# Altium PCB HRADC_Board_v2_0.PcbDoc (part 2 of 4) (continued)
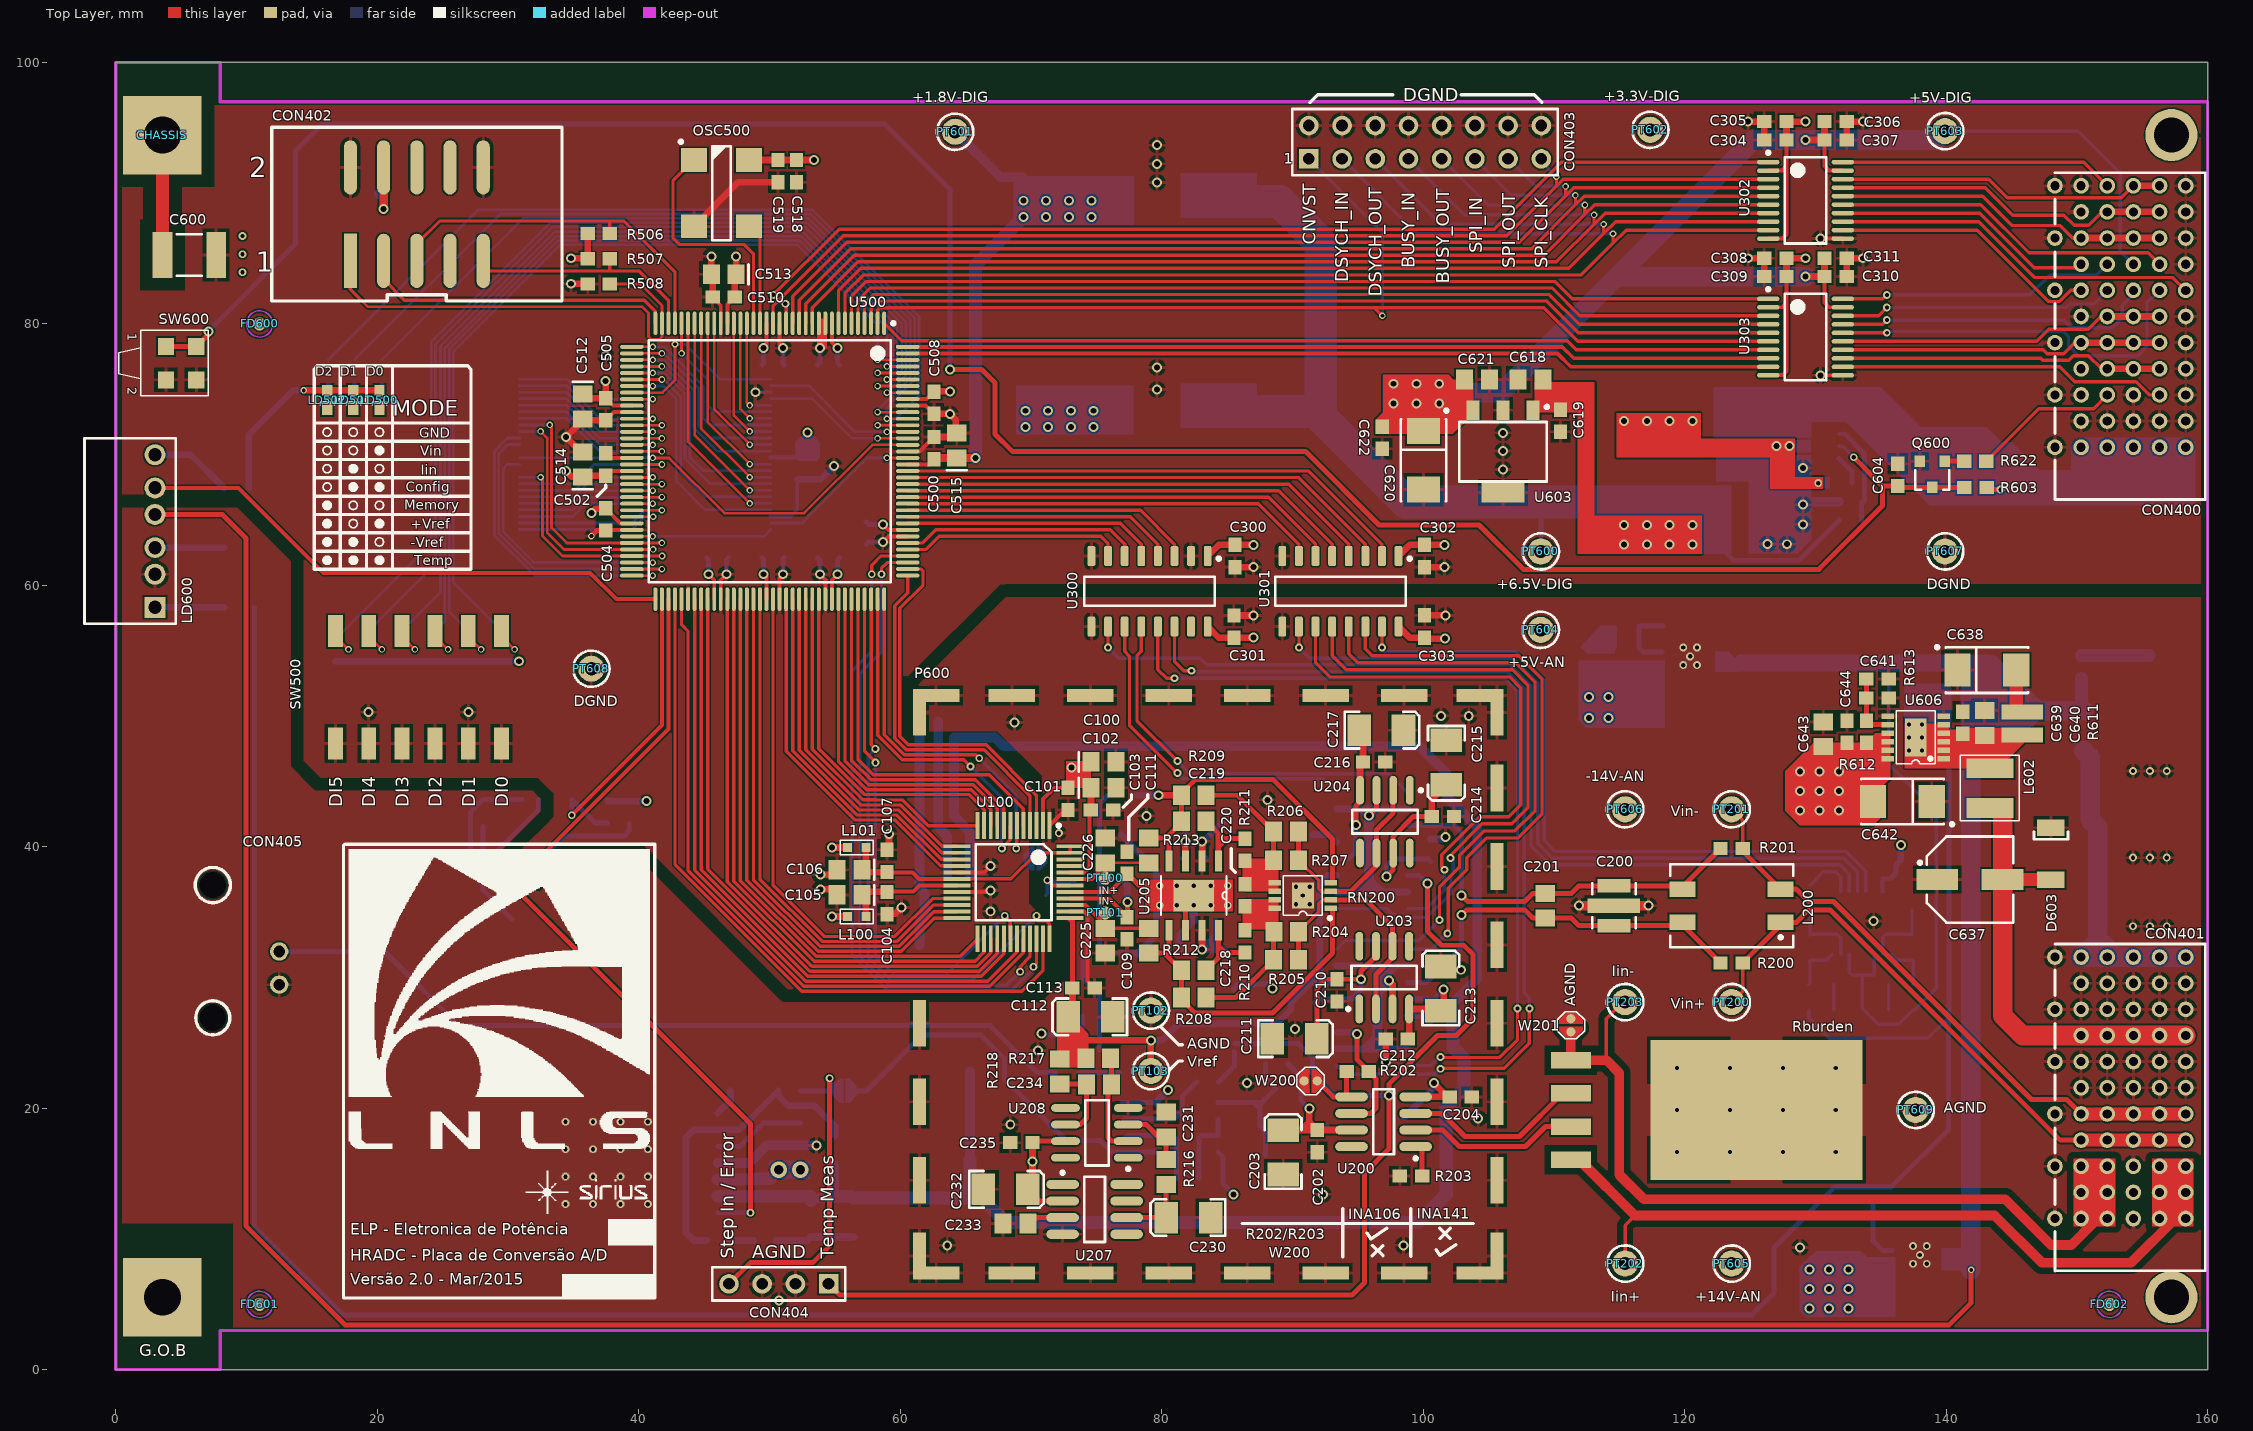
[diagram p0: Top Layer view]
## Nets (pads, with @x,y where several pads share a name; then routed paths per layer and width w, separated by ;. In a path a pad name is that pad's centre, name@x,y a point inside that pad or via, vN(x,y) a via of type N, cw(c..) or ccw(c..) an arc to the next point about the centre after c; other vN are vias at no path point) (continued)
ADC_CS: U100.32 U500.77 | length 52.4
  Top Layer w0.254: U500.77@43.275,58.95 43.275,56.975 43.775,56.475 43.775,38.187 52.622,29.34 66.863,29.34 69.425,31.902 U100.32@69.425,32.975
ADC_D0_OB2C: U100.5 U500.104 | length 27.8
  Top Layer w0.254: U500.104@56.775,58.95 56.775,46.674 57.925,45.524 66.826,45.524 69.425,42.925 U100.5@69.425,41.625
ADC_D1_A0: U100.8 U500.103 | length 26.8
  Top Layer w0.254: U500.103@56.275,58.95 56.275,46.636 57.768,45.143 65.748,45.143 67.925,42.966 U100.8@67.925,41.625
ADC_D2_A1: U100.9 U500.102 | length 26.8
  Top Layer w0.254: U500.102@55.775,58.95 55.775,46.597 57.61,44.762 65.591,44.762 67.425,42.928 U100.9@67.425,41.625
ADC_D3: U100.10 U500.101 | length 26.8
  Top Layer w0.254: U500.101@55.275,58.95 55.275,46.558 57.452,44.381 65.433,44.381 66.925,42.889 U100.10@66.925,41.625
ADC_D4_DIVSCLK0: U100.11 U500.98 | length 27.2
  Top Layer w0.254: U500.98@53.775,58.95 53.775,47.519 57.294,44 65.275,44 66.425,42.85 U100.11@66.425,41.625
ADC_D5_DIVSCLK1: U100.12 U500.97 | length 26.5
  Top Layer w0.254: U500.97@53.275,58.95 53.275,47.48 57.155,43.6 58.15,43.6 58.169,43.581 60.208,43.581 62.164,41.625 U100.12@65.925,41.625
ADC_D6_EXT/INT: U100.13 U500.96 | length 26.1
  Top Layer w0.254: U500.96@52.775,58.95 52.775,47.441 57.016,43.2 60.05,43.2 63.2,40.05 U100.13@64.35,40.05
ADC_D7_INVSYNC: U100.14 U500.95 | length 26.9
  Top Layer w0.254: U500.95@52.275,58.95 52.275,47.403 56.859,42.819 59.892,42.819 63.161,39.55 U100.14@64.35,39.55
ADC_D8_INVSCLK: U100.15 U500.94 | length 27.6
  Top Layer w0.254: U500.94@51.775,58.95 51.775,47.364 56.701,42.438 59.734,42.438 63.122,39.05 U100.15@64.35,39.05
ADC_D9_SDIN: U100.16 U500.93 | length 28.3
  Top Layer w0.254: U500.93@51.275,58.95 51.275,47.325 56.543,42.057 59.577,42.057 63.084,38.55 U100.16@64.35,38.55
ADC_D10_SDOUT: U100.21 U500.91 | length 38.8
  Top Layer w0.254: U500.91@50.275,58.95 50.275,37.075 54.2,33.15 59.6,33.15 62.5,36.05 U100.21@64.35,36.05
ADC_D11_SDCLK: U100.22 U500.89 | length 39.6
  Top Layer w0.254: U500.89@49.275,58.95 49.275,37.536 54.042,32.769 59.758,32.769 62.539,35.55 U100.22@64.35,35.55
ADC_D12_SYNC: U100.23 U500.88 | length 40.2
  Top Layer w0.254: U500.88@48.775,58.95 48.775,37.497 53.884,32.388 59.916,32.388 62.578,35.05 U100.23@64.35,35.05
ADC_D13_RDERROR: U100.24 U500.87 | length 40.9
  Top Layer w0.254: U500.87@48.275,58.95 48.275,37.459 53.727,32.007 60.073,32.007 62.616,34.55 U100.24@64.35,34.55
ADC_D14_HW/SW: U100.25 U500.86 | length 42.6
  Top Layer w0.254: U500.86@47.775,58.95 47.775,37.42 53.569,31.626 64.576,31.626 U100.25@65.925,32.975
ADC_D15_SCIN: U100.26 U500.85 | length 44.6
  Top Layer w0.254: U500.85@47.275,58.95 47.275,37.381 53.411,31.245 65.729,31.245 66.329,31.845 66.329,31.854 66.425,31.95 U100.26@66.425,32.975
ADC_D16_SCCLK: U100.27 U500.84 | length 45.9
  Top Layer w0.254: U500.84@46.775,58.95 46.775,37.342 53.253,30.864 65.887,30.864 66.925,31.902 U100.27@66.925,32.975
ADC_D17_SCCS: U100.28 U500.81 | length 47.7
  Top Layer w0.254: U500.81@45.275,58.95 45.275,38.303 53.095,30.483 66.045,30.483 67.425,31.863 U100.28@67.425,32.975
ADC_IMPULSE: U100.7 U500.107 | length 27.8
  Top Layer w0.254: U500.107@58.275,58.95 58.275,48.534 60.152,46.657 64.868,46.657 v3(65.375,46.15) ; v3@67.763,39.887 68.425,40.55 U100.7@68.425,41.625
  Bottom Layer w0.254: v3(65.375,46.15) 67.775,43.75 v3(67.775,39.875)
ADC_IN_N: C225.2 PT101.1 R212.2 U100.39 | length 7.6
  Top Layer w0.254: C225.2@75.9,33.771 R212.2@78.9,33.771
  Top Layer w0.3: U100.39@73,35.55 74,35.55 74.171,35.55 C225.2@75.675,34.046 ; PT101.1@75.675,34.95 C225.2@75.675,34.046 ; C225.2@75.9,33.771 75.9,33.821 C225.2@75.675,34.046
ADC_IN_P: C226.1 PT100.1 R213.2 U100.43 | length 7.5
  Top Layer w0.203: C226.1@75.9,38.78 R213.2@78.994,38.78
  Top Layer w0.3: U100.43@73,37.55 74.671,37.55 C226.1@75.675,38.554 ; PT100.1@75.675,37.6 C226.1@75.675,38.554 ; C226.1@75.9,38.78 C226.1@75.675,38.554
ADC_MODE0: U100.3 U500.110 | length 29.3
  Top Layer w0.254: U500.110@60.575,61.25 61.6,61.25 61.75,61.1 61.75,60.025 59.975,58.25 59.975,48.45 60.625,47.8 66.575,47.8 70.425,43.95 U100.3@70.425,41.625
ADC_MODE1: U100.4 U500.109 | length 27.3
  Top Layer w0.254: U500.109@60.575,60.75 60.575,59.431 59.594,58.45 59.594,48.292 60.467,47.419 66.417,47.419 69.925,43.911 U100.4@69.925,41.625
ADC_PD: U100.34 U500.112 | length 51.5
  Top Layer w0.254: v3(57.82,60.855) 57.82,61.55 58.52,62.25 U500.112@60.575,62.25 ; v3(70.2,30.825) 70.425,31.05 U100.34@70.425,32.975
  Bottom Layer w0.254: v3(57.82,60.855) 57.82,54.964 56.32,53.464 56.32,31.696 58.959,29.057 68.565,29.057 70.2,30.692 v3(70.2,30.825)
ADC_RD: U100.31 U500.79 | length 50.9
  Top Layer w0.254: U500.79@44.275,58.95 44.275,38.226 52.78,29.721 66.705,29.721 68.925,31.941 U100.31@68.925,32.975
ADC_RESET: U100.33 U500.111 | length 49
  Top Layer w0.254: v3(58.57,60.855) 58.57,61.3 59.02,61.75 U500.111@60.575,61.75 ; v3(69.175,30.45) 69.175,30.839 69.925,31.589 U100.33@69.925,32.975
  Bottom Layer w0.254: v3(58.57,60.855) 58.57,54.875 56.92,53.225 56.92,31.635 59.117,29.438 68.163,29.438 v3(69.175,30.45)
ADC_TEN: U100.30 U500.105 | length 42
  Top Layer w0.254: U500.105@57.275,58.95 57.275,47.325 58.104,46.496 v3@58.114,46.496 ; v3(68,34.725) 68.425,34.3 U100.30@68.425,32.975
  Bottom Layer w0.254: v3@58.114,46.496 58.104,46.496 58.1,46.5 58.1,31.65 59.55,30.2 63.475,30.2 v3(68,34.725)
  other v3: 58.114,46.446
ADC_VREF: C112.1 C113.2 PT103.1 R217.2 R218.2 U100.37 U201.14 U202.3 | length 49
  Top Layer w0.381: R218.2@72.2,23.775 72.2,26.35 C112.1@72.85,27 74.2,25.65 74.2,25.2 ; U100.37@72.953,34.503 73.175,34.28 C113.2@73.175,29.2 ; 73.275,25.2 74.2,25.2 ; R217.2@74.2,23.825 74.2,25.2
  Top Layer w0.508: C112.1@72.85,27 73.175,27.325 C113.2@73.175,29.2 ; 74.2,25.2 v1(79.175,25.2) PT103.1@79.175,22.85
  Bottom Layer w0.508: v1(79.175,25.2) 80.05,25.2 81.325,26.475 88.79,26.475 89.875,27.56 89.875,28.1 91.405,29.63 ; U201.14@93.4,29.63 91.405,29.63 ; U202.3@93.4,37.82 92.72,37.82 92.1,37.2 92.1,30.325 91.405,29.63
ADC_WRAP: U100.6 U500.108 | length 28.2
  Top Layer w0.254: U500.108@58.775,58.95 58.775,48.572 60.309,47.038 65.787,47.038 v3(66.05,46.775) ; v3(68.875,39.875) 68.925,39.925 U100.6@68.925,41.625
  Bottom Layer w0.254: v3(66.05,46.775) 68.875,43.95 v3(68.875,39.875)
AGND: C100.2 C101.2 C102.2 C103.1 C108.2 C109.1 C110.1 C111.2 C112.2 C113.1 C200.G1 C200.G2 C202.1 C203.2 C204.1 C205.1 C206.2 C207.1 C208.2 C209.1 C210.2 C211.2 C212.2 C213.1 C214.2 C215.2 C216.2 C217.1 C221.2 C222.2 C223.2 C224.1 C225.1 C226.2 C227.2 C228.1 C229.2 C230.2 C231.1 C232.2 C233.1 C235.2 C236.1 C237.1 C238.2 C239.2 C242.1 C243.1 C301.1 C303.1 C623.2 C624.2 C625.1 C626.1 C627.2 C628.2 C629.1 C630.1 C631.1 C632.1 C633.2 C634.2 C635.1 C636.1 C637.1 C638.1 C639.1 C640.1 C641.2 C642.1 C643.1 C644.1 C645.1 CON401.A2 CON401.A3 CON401.A5 CON401.A6 CON401.B2 CON401.B3 CON401.B5 CON401.B6 CON401.C2 CON401.C3 CON401.C5 CON401.C6 CON401.C9 CON401.C10 CON401.C11 CON401.D2 CON401.D3 CON401.D5 CON401.D6 CON401.E2 CON401.E3 CON401.E5 CON401.E6 CON401.Mec1 CON401.Mec2 CON401.Mec3 CON401.Mec4 CON401.Mec5 CON401.Mec6 CON404.2 CON404.3 CON405.2 D600.1 D602.2 D603.1 LD600.2 OP300.1 P600.1 P601.1 PT102.1 PT609.1 R203.1 R220.1 R224.1 R228.1 R229.1 R230.2 R231.1 R232.2 R233.1 R234.2 R235.1 R236.2 R237.1 R238.2 R239.1 R240.2 R241.1 R601.1 R608.1 R610.1 R613.1 R617.2 Rburden.5 RN200.9 U100.1 U100.38 U100.42 U201.5 U201.6 U201.12 U202.5 U202.6 U202.12 U205.2 U205.7 U207.4 U208.4 U210.4 U211.4 U211.8 U300.9 U301.9 U604.4 U604.5 U604.9 U605.4 U605.5 U605.9 U606.6 U606.7 U607.4 U607.5 U607.9 U607.14 W200.1 W201.1 W202.1 W600.1 | length 77.8
  Top Layer w0.3: v3(71.25,37.45) 71.65,37.05 U100.42@73,37.05 ; U100.1@71.425,41.625 72.619,42.819 C101.2@72.85,42.819 ; U100.38@73,35.05 74.067,35.05 74.324,34.792 74.324,29.751 C113.1@74.875,29.2
  Top Layer w0.381: v1@101.685,57.715 v1(101.7,57.7)
  Top Layer w0.508: v1(83.085,32.14) U205.7@83.085,33.621 ; U205.2@83.085,38.929 83.1,38.944 v1(83.1,40.425) ; C301.1@85.52,57.7 v1(87.02,57.7) ; v1(97.15,23.55) C212.2@97.15,25.261 ; C303.1@100.12,57.715 v1@101.685,57.715
  Top Layer w0.7: v1(111.925,35.5) C200.G1@113.585,35.5 ; C200.G2@115.59,35.5 v1(117.25,35.5)
  Bottom Layer w0.3: D600.1@71.145,36.3 71.25,36.405 v3(71.25,37.45) 71.358,37.342 73.302,37.342 C108.2@73.485,37.525
  Bottom Layer w0.508: C221.2@83.36,39.121 83.1,39.381 v1(83.1,40.425) 83.19,40.425 C222.2@85.215,42.45 ; C223.2@84.125,34.325 84.125,33.18 v1(83.085,32.14) C224.1@84.785,32.14 ; C209.1@91.575,40.95 92.81,40.95 U202.5@93.4,40.36 ; U201.5@98.8,27.09 99.985,27.09 C207.1@100.5,26.575 ; C208.2@100.55,40.6 101.55,40.6 v1(101.7,40.75)
  Bottom Layer w0.75: U211.4@46.05,15.825 48.44,15.825 C242.1@48.945,16.33 49.785,17.17 C243.1@50.67,17.17 R229.1@52.37,17.17 v1(53.59,17.17) ; P601.1@61.475,32.47 61.475,34.252 61.869,34.646 61.869,36.495 61.475,36.888 P601.1@61.475,38.47 P601.1@61.475,44.47 P601.1@61.475,50.265 ; 62.915,49.6 62.915,41.5 63.6,40.815 R241.1@63.6,37.875
  other v1: 50.715,5.293 128.838,9.352 63.6,9.525 98.49,9.525 92.34,13.425 68.42,18.75 104.215,19.225 86.515,21.925 70.54,24.425 90.215,26.075 102.89,30.6 134.465,34.325 78.845,42.375 88.09,43.6 68.74,49.525 101.365,50.025 103.49,50.025
  other v3: 154.302,33.925 155.59,33.925 156.878,33.925 154.302,39.175 155.59,39.175 156.878,39.175 72.14,41.05 154.302,45.8 155.59,45.8 156.878,45.8
  other v4: 119.425,16.665 123.475,16.665 127.525,16.665 131.575,16.665 119.425,19.875 123.475,19.875 127.525,19.875 131.575,19.875 119.425,23.085 123.475,23.085 127.525,23.085 131.575,23.085 90.275,35.6 91.325,35.6 90.8,36.275 90.275,36.95 91.325,36.95
  other v5: 137.475,8.11 138.525,8.11 138,8.785 137.475,9.46 138.525,9.46 34.4,12.675 36.5,12.675 38.6,12.675 40.7,12.675 34.4,14.775 36.5,14.775 38.6,14.775 40.7,14.775 34.4,16.875 36.5,16.875 38.6,16.875 40.7,16.875 34.4,18.975 36.5,18.975 38.6,18.975 40.7,18.975 119.9,53.9 120.95,53.9 120.425,54.575 119.9,55.25 120.95,55.25
AMUX_N_IN1: U202.1 U301.12 | length 47.8
  Top Layer w0.254: U301.12@93.04,56.85 93.04,54.635 94.133,53.542 106.849,53.542 108.017,52.374 108.017,42.999 106.776,41.758 104.491,41.758 102.1,39.368 v6(102.1,39.15)
  Bottom Layer w0.254: U202.1@93.4,35.28 97.274,35.28 97.955,34.599 100.267,34.599 102.133,36.465 102.133,37.795 102.306,37.968 102.306,38.944 v6(102.1,39.15)
AMUX_N_IN2: U202.16 U301.11 | length 42.1
  Top Layer w0.254: U301.11@91.77,56.85 91.77,54.08 92.85,53 93.4,53 106.625,53 107.475,52.15 107.475,43.223 106.552,42.3 104.314,42.3 101.419,39.405 101.419,38.456 v6(101.625,38.25)
  Bottom Layer w0.254: U202.16@98.8,35.28 100.23,35.28 101.625,36.675 v6(101.625,38.25)
AMUX_N_IN3: U202.9 U300.12 | length 30.3
  Top Layer w0.254: U300.12@78.44,56.85 78.44,54.953 78.113,54.625 78.113,49.662 v6(81.2,46.575)
  Bottom Layer w0.254: v6(81.2,46.575) 82.175,45.6 97.37,45.6 U202.9@98.8,44.17
AMUX_N_IN4: U202.8 U300.11 | length 25.7
  Top Layer w0.254: U300.11@77.17,56.85 77.17,54.967 77.538,54.6 77.538,49.312 v6(81.2,45.65)
  Bottom Layer w0.254: v6(81.2,45.65) 81.631,45.219 92.351,45.219 U202.8@93.4,44.17
AMUX_P_IN1: U201.1 U301.14 | length 43.6
  Top Layer w0.254: U301.14@95.58,56.85 95.58,55.145 96.1,54.625 96.925,54.625 107.298,54.625 109.1,52.823 109.1,42.55 107.225,40.675 105.2,40.675 104.844,40.675 103.335,39.165 103.335,38.246 101.931,36.843 101.931,33.456 v6(101.85,33.375)
  Bottom Layer w0.254: U201.1@98.8,32.17 100.645,32.17 v6(101.85,33.375)
AMUX_P_IN2: U201.16 U301.13 | length 48.6
  Top Layer w0.254: U301.13@94.31,56.85 94.31,54.79 95.017,54.083 95.625,54.083 107.074,54.083 108.558,52.599 108.558,42.774 107.001,41.217 105.2,41.217 104.667,41.217 102.781,39.33 102.781,38.443 101.25,36.912 v6(101.25,34.4)
  Bottom Layer w0.254: U201.16@93.4,32.17 94.081,32.851 99.701,32.851 v6(101.25,34.4)
AMUX_P_IN3: U201.9 U300.14 | length 73.6
  Top Layer w0.254: U300.14@80.98,56.85 80.98,54.195 81.7,53.475 v6(82.275,53.475) ; v6(101.325,23.025) 101.356,23.056 106.206,23.056 108.125,24.975 v6(108.125,27.65)
  Bottom Layer w0.254: v6(82.275,53.475) 82.275,53.433 82.25,53.408 106.435,53.408 107.733,52.11 107.733,28.825 108.125,28.433 v6(108.125,27.65) ; U201.9@93.4,23.28 94.081,22.599 100.899,22.599 v6(101.325,23.025)
AMUX_P_IN4: U201.8 U300.13 | length 67.3
  Top Layer w0.254: U300.13@79.71,56.85 79.71,53.565 80.375,52.9 v6(80.98,52.9) ; v6(101.325,23.925) 101.356,23.894 105.858,23.894 107.225,25.261 v6(107.225,27.65)
  Bottom Layer w0.254: v6(80.98,52.9) 106.225,52.9 107.225,51.9 v6(107.225,27.65) ; U201.8@98.8,23.28 100.617,23.28 v6@101.212,23.875
CPLD_AMUX_N_IN1: U301.5 U500.122 | length 35.1
  Top Layer w0.254: U500.122@60.575,67.25 88.944,67.25 93.04,63.154 U301.5@93.04,62.25
CPLD_AMUX_N_IN2: U301.6 U500.121 | length 33.6
  Top Layer w0.254: U500.121@60.575,66.75 88.174,66.75 91.77,63.154 U301.6@91.77,62.25
CPLD_AMUX_N_IN3: U300.5 U500.117 | length 19.4
  Top Layer w0.254: U500.117@60.575,64.75 76.844,64.75 78.44,63.154 U300.5@78.44,62.25
CPLD_AMUX_N_IN4: U300.6 U500.114 | length 18.4
  Top Layer w0.254: U500.114@60.575,63.25 61.725,63.25 62.725,64.25 76.074,64.25 77.17,63.154 U300.6@77.17,62.25
CPLD_AMUX_P_IN1: U301.3 U500.124 | length 38
  Top Layer w0.254: U500.124@60.575,68.25 90.484,68.25 95.58,63.154 U301.3@95.58,62.25
CPLD_AMUX_P_IN2: U301.4 U500.123 | length 36.5
  Top Layer w0.254: U500.123@60.575,67.75 89.714,67.75 94.31,63.154 U301.4@94.31,62.25
CPLD_AMUX_P_IN3: U300.3 U500.119 | length 22.4
  Top Layer w0.254: U500.119@60.575,65.75 78.384,65.75 80.98,63.154 U300.3@80.98,62.25
CPLD_AMUX_P_IN4: U300.4 U500.118 | length 20.9
  Top Layer w0.254: U500.118@60.575,65.25 77.614,65.25 79.71,63.154 U300.4@79.71,62.25
CPLD_BUSY_IN: CON403.4 U302.7 U500.12 | length 94
  Top Layer w0.254: U500.12@53.275,80.05 53.275,81.255 56.77,84.75 110.2,84.75 113.075,87.625 ; v2(113.075,88.35) 113.075,87.625 ; U302.7@126.4,88.475 113.925,88.475 113.075,87.625
  Bottom Layer w0.254: CON403.4@98.88,92.63 103.16,88.35 v2(113.075,88.35)
CPLD_BUSY_OUT: CON403.5 U302.6 U500.13 | length 91.4
  Top Layer w0.254: U500.13@52.775,80.05 52.775,81.538 56.487,85.25 109.25,85.25 112.375,88.375 ; v2(112.375,89.1) 112.375,88.375 ; U302.6@126.4,89.125 113.125,89.125 112.375,88.375
  Bottom Layer w0.254: CON403.5@101.42,92.63 104.95,89.1 v2(112.375,89.1)
CPLD_CNVST: CON403.1 U303.6 U500.2 | length 85.5
  Top Layer w0.254: U500.2@58.275,80.05 58.275,81.08 58.445,81.25 96.265,81.25 ; v2(96.89,80.625) 96.265,81.25 ; U303.6@126.4,78.675 111.82,78.675 109.245,81.25 96.265,81.25
  Bottom Layer w0.254: CON403.1@91.26,92.63 96.89,87 v2(96.89,80.625)
CPLD_CONFIG: U303.9 U500.143 | length 66.2
  Top Layer w0.3: U500.143@60.575,77.75 110.27,77.75 111.295,76.725 U303.9@126.4,76.725
CPLD_CS1: U303.7 U500.1 | length 68.5
  Top Layer w0.254: U500.1@58.775,80.05 60.1,78.725 111.02,78.725 111.72,78.025 U303.7@126.4,78.025
CPLD_CS2: U303.8 U500.144 | length 66.2
  Top Layer w0.3: U500.144@60.575,78.25 110.645,78.25 111.52,77.375 U303.8@126.4,77.375
CPLD_DSYCH_IN: CON403.2 U302.9 U500.7 | length 98.7
  Top Layer w0.254: U500.7@55.775,80.05 55.775,82.33 57.195,83.75 112.1,83.75 114.55,86.2 ; v2(114.525,86.9) 114.525,86.225 114.55,86.2 ; U302.9@126.4,87.175 115.525,87.175 114.55,86.2
  Bottom Layer w0.254: CON403.2@93.8,92.63 99.53,86.9 v2(114.525,86.9)
CPLD_DSYCH_OUT: CON403.3 U302.8 U500.8 | length 96.2
  Top Layer w0.254: U500.8@55.275,80.05 55.275,82.55 56.975,84.25 111.15,84.25 113.825,86.925 ; v2(113.8,87.625) 113.8,86.95 113.825,86.925 ; U302.8@126.4,87.825 114.725,87.825 113.825,86.925
  Bottom Layer w0.254: CON403.3@96.34,92.63 101.345,87.625 113.7,87.625 113.8,87.525 v2(113.8,87.625)
CPLD_ID1: U303.4 U500.4 | length 71.9
  Top Layer w0.254: U500.4@57.275,80.05 57.275,81.58 57.945,82.25 109.659,82.25 111.934,79.975 U303.4@126.4,79.975
CPLD_ID2: U303.5 U500.3 | length 71.1
  Top Layer w0.254: U500.3@57.775,80.05 57.775,81.33 58.195,81.75 109.452,81.75 111.877,79.325 U303.5@126.4,79.325
CPLD_MONIT_DIS: U301.2 U500.125 | length 39.5
  Top Layer w0.254: U500.125@60.575,68.75 91.254,68.75 96.85,63.154 U301.2@96.85,62.25
CPLD_MONIT_OV: U300.7 U500.113 | length 16.9
  Top Layer w0.254: U500.113@60.575,62.75 61.975,62.75 62.975,63.75 75.345,63.75 75.9,63.195 U300.7@75.9,62.25
CPLD_MONIT_UV: U301.7 U500.120 | length 32.1
  Top Layer w0.254: U500.120@60.575,66.25 87.404,66.25 90.5,63.154 U301.7@90.5,62.25
CPLD_MSTR_SLV: U303.3 U500.5 | length 72.7
  Top Layer w0.254: U500.5@56.775,80.05 56.775,81.83 57.695,82.75 109.866,82.75 111.991,80.625 U303.3@126.4,80.625
CPLD_SPI_CLK: CON403.8 U302.3 U500.18 | length 84.5
  Top Layer w0.254: U500.18@50.275,80.05 50.275,81.389 55.636,86.75 106.4,86.75 110.2,90.55 ; v2(110.2,91.275) 110.2,90.55 ; U302.3@126.4,91.075 110.725,91.075 110.2,90.55
  Bottom Layer w0.254: CON403.8@109.215,93.13 109.215,92.26 v2(110.2,91.275)
CPLD_SPI_IN: CON403.6 U302.5 U500.14 | length 88.8
  Top Layer w0.254: U500.14@52.275,80.05 52.275,81.822 56.203,85.75 108.3,85.75 111.65,89.1 ; v2(111.65,89.835) 111.65,89.1 ; U302.5@126.4,89.775 112.325,89.775 111.65,89.1
  Bottom Layer w0.254: CON403.6@103.96,92.63 106.755,89.835 v2(111.65,89.835)
CPLD_SPI_OUT: CON403.7 U302.4 U500.15 | length 86.1
  Top Layer w0.254: U500.15@51.775,80.05 51.775,82.105 55.92,86.25 107.35,86.25 110.925,89.825 ; v2(110.9,90.525) 110.9,89.85 110.925,89.825 ; U302.4@126.4,90.425 111.525,90.425 110.925,89.825
  Bottom Layer w0.254: CON403.7@106.5,92.63 108.605,90.525 v2(110.9,90.525)
CPLD_STATUS: U302.1 U500.16 | length 82.9
  Top Layer w0.254: v3(50.295,82.225) 55.32,87.25 105.45,87.25 110.575,92.375 U302.1@126.4,92.375 ; v3@51.145,81.425 51.275,81.295 U500.16@51.275,80.05
  Bottom Layer w0.254: v3(50.295,82.225) 51.095,81.425 v3@51.145,81.425
  other v3: 51.214,81.54
CPLD_SYNC: U303.1 U500.6 | length 73.2
  Top Layer w0.254: U500.6@56.275,80.05 56.275,82.105 57.42,83.25 110.073,83.25 111.398,81.925 U303.1@126.4,81.925
CPLD_TCK: CON402.1 R508.2 U500.35 | length 35.8
  Top Layer w0.203: 18.67,81.925 19.27,81.325 40.25,81.325 40.75,80.825 40.75,79.025 40.95,78.825 41.575,78.825 41.775,79.025 U500.35@41.775,80.05 41.775,81.4 40.125,83.05 R508.2@37.795,83.05
  Top Layer w0.254: CON402.1@17.945,84.825 17.945,82.65 18.67,81.925
CPLD_TDI: CON402.9 R507.1 U500.34 | length 17.8
  Top Layer w0.254: CON402.9@28.07,84.05 37.82,84.05 ; R507.1@37.795,84.987 37.795,84.075 37.82,84.05 ; U500.34@42.275,80.05 42.275,81.82 40.045,84.05 37.82,84.05
CPLD_TDO: CON402.3 U500.36 | length 24.1
  Top Layer w0.254: CON402.3@20.485,84.825 20.485,83.41 22.075,81.82 40.43,81.82 41.275,80.975 U500.36@41.275,80.05
CPLD_TMS: CON402.5 R506.2 U500.33 | length 28.3
  Top Layer w0.254: CON402.5@23.025,84.825 23.025,86.13 24.77,87.875 37.82,87.875 ; R506.2@37.795,86.925 37.795,87.85 37.82,87.875 ; U500.33@42.775,80.05 42.775,83.97 38.87,87.875 37.82,87.875
DGND: C104.2 C105.2 C106.2 C107.1 C300.2 C302.2 C304.1 C305.1 C306.1 C307.2 C308.1 C309.1 C310.1 C311.2 C400.1 C500.1 C501.1 C502.1 C503.1 C504.1 C505.1 C506.1 C507.1 C508.1 C509.1 C510.1 C511.1 C512.2 C513.2 C514.2 C515.2 C516.2 C517.1 C518.1 C519.2 C600.1 C601.2 C602.2 C603.2 C604.1 C606.1 C607.2 C608.1 C609.1 C610.2 C611.1 C612.1 C613.1 C614.1 C615.2 C616.1 C617.1 C618.1 C619.1 C620.2 C621.1 C622.1 CON400.A1 CON400.A2 CON400.A3 CON400.A4 CON400.A6 CON400.A7 CON400.A8 CON400.A9 CON400.A10 CON400.B10 CON400.C9 CON400.C10 CON400.D10 CON400.E1 CON400.E2 CON400.E6 CON400.E8 CON400.E9 CON400.E10 CON400.Mec1 CON400.Mec2 CON400.Mec3 CON400.Mec4 CON400.Mec5 CON400.Mec6 CON402.2 CON402.10 CON403.9 CON403.10 CON403.11 CON403.12 CON403.13 CON403.14 CON403.15 CON403.16 D600.2 D600.3 D601.2 OP300.7 OSC500.2 PT607.1 PT608.1 Q600.2 R508.1 R605.2 SW500.1 SW500.2 SW500.3 SW500.4 SW500.5 SW500.6 SW600.2 U100.17 U100.20 U300.2 U300.8 U301.8 U302.11 U303.11 U500.10 U500.11 U500.17 U500.26 U500.47 U500.54 U500.65 U500.78 U500.83 U500.92 U500.99 U500.115 U500.128 U500.135 U501.27 U501.46 U600.1 U601.2 U601.4 U602.2 U602.4 U603.2 U603.4 W600.2 | length 96.7
  Top Layer w0.3: C504.1@37.475,64.2 37.525,64.25 U500.65@39.475,64.25 ; C502.1@37.475,70.1 37.825,69.75 U500.54@39.475,69.75 ; C505.1@37.475,72.625 38.1,73.25 U500.47@39.475,73.25 ; C510.1@45.65,82.05 46.275,81.425 U500.26@46.275,80.05 ; U500.83@46.275,58.95 46.275,60.43 v1(46.7,60.855) ; U500.92@50.775,58.95 50.775,60.58 v1(51.05,60.855) ; U500.17@50.775,80.05 50.775,78.42 v1(51.05,78.145) ; v1@53.775,78.22 v1(53.85,78.145) ; v1(53.85,60.855) 54.275,60.43 U500.99@54.275,58.95 ; v1(58.67,63.325) 59.095,63.75 U500.115@60.575,63.75 ; U500.128@60.575,70.25 61.475,70.25 C500.1@62.575,71.35 ; U500.135@60.575,73.75 61.95,73.75 C508.1@62.575,73.125 ; U100.20@64.35,36.55 66.79,36.55 v1(66.915,36.675) ; U100.17@64.35,38.05 66.418,38.05 v1(66.915,38.547) ; v1(130.4,76.075) U303.11@132.1,76.075 ; v1(130.4,86.525) U302.11@132.1,86.525
  Top Layer w0.381: v2(36.375,63.775) 36.8,64.2 C504.1@37.475,64.2
  Top Layer w0.508: v1(34.825,83.075) 36.07,83.075 R508.1@36.095,83.05 ; C514.2@35.725,70.2 35.575,70.2 v1(34.425,71.35) 35.7,72.625 C505.1@37.475,72.625 ; OSC500.2@44.225,87.46 47.605,90.84 C519.2@50.645,90.84 ; v1(45.55,85.175) C513.2@45.55,83.8 45.65,83.7 C510.1@45.65,82.05 ; v1(53.89,36.75) 54.8,36.75 C105.2@55.175,36.375 ; v1(53.89,37.875) 54.8,37.875 C106.2@55.175,38.25 ; C104.2@59,34.875 59.614,34.875 v1(60.113,35.373) ; C107.1@59,39.75 59.14,39.89 v1(59.14,41) ; C500.1@62.575,71.35 63.85,71.35 64.238,71.737 64.238,72.688 v1(63.8,73.125) C508.1@62.575,73.125 ; C300.2@85.6,61.4 v1(87.02,61.4) ; C302.2@100.12,61.4 v1(101.625,61.4) ; v1(124.85,85.025) C308.1@126.1,85.025 C309.1@126.1,83.625 ; v1(124.85,95.475) C305.1@126.1,95.475 C304.1@126.1,94.075 ; C310.1@132.4,83.625 C311.2@132.4,85.025 v1(133.65,85.025) ; C307.2@132.4,94.075 C306.1@132.4,95.475 v1(133.65,95.475)
  Top Layer w0.75: v1(53.85,78.145) 54.025,78.32 54.025,80.05
  Bottom Layer w0.3: v1(48.925,74.775) U501.27@50.095,74.775 ; U501.46@50.095,65.275 51.6,65.275 52.125,65.8 C517.1@52.125,68.125
  Bottom Layer w0.381: v1(46.7,60.855) 46.7,61.95 C507.1@46.875,62.125 ; v1(51.05,60.855) 51.05,62.05 C501.1@51.125,62.125 ; v1(51.05,78.145) 51.05,76.945 C503.1@51.12,76.875 ; C506.1@53.675,62.125 53.85,61.95 v1(53.85,60.855) ; C511.1@53.675,76.875 53.85,77.05 v1(53.85,78.145) ; C509.1@57.4,63.15 57.575,63.325 v1(58.67,63.325)
  Bottom Layer w0.508: C517.1@52.125,68.125 C516.2@53.7,68.125 53.925,68.125 v1(54.925,69.125)
  Bottom Layer w0.75: v1@129.17,66.425 129.17,66.4 R605.2@131.825,66.4
  other v1: 66.915,35.075 19.342,50.3 26.962,50.3 127.85,63.15 126.35,63.175 129.05,64.675 129.05,66.175 106.1,68.875 129.05,68.975 106.1,70.275 106.1,71.675 79.65,74.975 79.65,76.675 37.475,77.55 79.65,90.825 79.65,92.25 79.65,93.675
HRADC_BUSY_IN: CON400.E4 U302.14 | length 20.1
  Top Layer w0.254: U302.14@132.1,88.475 142.57,88.475 146.745,84.3 150.058,84.3 CON400.E4@150.33,84.572
HRADC_BUSY_OUT: CON400.B4 U302.15 | length 26.1
  Top Layer w0.254: U302.15@132.1,89.125 142.67,89.125 146.345,85.45 155.452,85.45 CON400.B4@156.33,84.572
HRADC_CNVST: CON400.B6 CON400.C6 CON400.D6 U303.15 | length 25
  Top Layer w0.254: U303.15@132.1,78.675 146.92,78.675 147.845,79.6 150.895,79.6 151.867,80.572 CON400.D6@152.33,80.572
  Top Layer w0.508: CON400.D6@152.33,80.572 CON400.C6@154.33,80.572 CON400.B6@156.33,80.572
HRADC_CONFIG: CON400.B9 U303.12 | length 25.1
  Top Layer w0.254: U303.12@132.1,76.725 148.695,76.725 149.845,75.575 154.535,75.575 155.538,74.572 CON400.B9@156.33,74.572
HRADC_CS1: CON400.B7 CON400.C7 CON400.D7 CON400.E7 U303.14 | length 24.7
  Top Layer w0.254: U303.14@132.1,78.025 147.445,78.025 147.752,77.718 148.988,77.718 149.842,78.572 CON400.E7@150.33,78.572
  Top Layer w0.508: CON400.E7@150.33,78.572 CON400.D7@152.33,78.572 CON400.C7@154.33,78.572 CON400.B7@156.33,78.572
HRADC_CS2: CON400.B8 CON400.C8 CON400.D8 U303.13 | length 24.9
  Top Layer w0.254: U303.13@132.1,77.375 147.245,77.375 147.395,77.225 149.395,77.225 149.745,77.575 150.895,77.575 151.898,76.572 CON400.D8@152.33,76.572
  Top Layer w0.508: CON400.D8@152.33,76.572 CON400.C8@154.33,76.572 CON400.B8@156.33,76.572
HRADC_DIG_ENABLE: CON400.D9 R622.1 | length 11.4
  Top Layer w0.254: R622.1@143.08,69.5 147.105,73.525 151.283,73.525 CON400.D9@152.33,74.572
HRADC_DSYCH_IN: CON400.E5 U302.12 | length 20.8
  Top Layer w0.254: U302.12@132.1,87.175 142.37,87.175 147.808,81.737 147.957,81.737 147.976,81.718 148.684,81.718 149.538,82.572 CON400.E5@150.33,82.572
HRADC_DSYCH_OUT: CON400.A5 U302.13 | length 28.4
  Top Layer w0.254: U302.13@132.1,87.825 142.495,87.825 146.77,83.55 157.352,83.55 CON400.A5@158.33,82.572
HRADC_ID1: CON400.C5 U303.17 | length 24.5
  Top Layer w0.254: U303.17@132.1,79.975 135.153,79.975 v6(135.47,80.292)
  Bottom Layer w0.254: v6(135.47,80.292) 149.003,80.292 149.577,79.718 152.684,79.718 152.716,79.75 152.77,79.75 153.476,80.456 153.476,81.426 154.33,82.28 CON400.C5@154.33,82.572
HRADC_ID2: CON400.B5 U303.16 | length 29.4
  Top Layer w0.254: U303.16@132.1,79.325 v6(135.47,79.325)
  Bottom Layer w0.254: v6@135.545,79.4 135.571,79.426 148.969,79.426 149.37,79.025 149.37,78.324 150.119,77.575 154.645,77.575 155.37,78.3 155.37,81.612 CON400.B5@156.33,82.572
HRADC_IIN_N: CON401.D9 CON401.D10 CON401.D11 CON401.E9 CON401.E10 CON401.E11 PT203.1 Rburden.1 W201.2 | length 59.7
  Top Layer w0.254: 114.017,23.685 114.017,26.861 115.45,28.294 PT203.1@115.45,28.885
  Top Layer w0.75: W201.2@111.3,25.855 Rburden.1@111.3,23.685 114.017,23.685 115.005,22.697 115.005,14.922 116.877,13.05 144.514,13.05 148.02,9.544 149.582,9.544 151.259,11.22 151.259,11.917
HRADC_IIN_P: CON401.A9 CON401.A10 CON401.A11 CON401.B9 CON401.B10 CON401.B11 PT202.1 Rburden.4 | length 55
  Top Layer w0.254: PT202.1@115.45,8.125 115.45,11.045 116.205,11.8
  Top Layer w0.75: Rburden.4@111.3,16.065 Rburden.4@111.94,16.065 ; Rburden.4@112.062,16.065 Rburden.4@111.94,16.065 ; 157.51,11.551 154.148,8.189 147.33,8.189 143.719,11.8 116.205,11.8 Rburden.4@111.94,16.065
HRADC_MSTR_SLV: CON400.D5 U303.18 | length 21
  Top Layer w0.254: U303.18@132.1,80.625 134.837,80.625 v6(135.47,81.258)
  Bottom Layer w0.254: v6(135.47,81.258) 149.203,81.258 149.47,81.525 151.283,81.525 CON400.D5@152.33,82.572
HRADC_SPI_CLK: CON400.B1 CON400.C1 U302.18 | length 25.2
  Top Layer w0.254: U302.18@132.1,91.075 143.275,91.075 144.7,89.65 153.408,89.65 CON400.C1@154.33,90.572
  Top Layer w0.508: CON400.C1@154.33,90.572 CON400.B1@156.33,90.572
HRADC_SPI_IN: CON400.B3 CON400.C3 CON400.D3 CON400.E3 U302.16 | length 25.6
  Top Layer w0.254: U302.16@132.1,89.775 142.795,89.775 145.045,87.525 148.745,87.525 149.698,86.572 CON400.E3@150.33,86.572
  Top Layer w0.508: CON400.E3@150.33,86.572 CON400.C3@154.33,86.572 CON400.B3@156.33,86.572
HRADC_SPI_OUT: CON400.B2 CON400.C2 CON400.D2 U302.17 | length 25.8
  Top Layer w0.254: U302.17@132.1,90.425 143,90.425 145.1,88.325 149.02,88.325 149.795,87.55 150.92,87.55 151.942,88.572 CON400.D2@152.33,88.572
  Top Layer w0.508: CON400.D2@152.33,88.572 CON400.C2@154.33,88.572 CON400.B2@156.33,88.572
HRADC_STATUS: CON400.D1 U302.20 | length 21
  Top Layer w0.254: U302.20@132.1,92.375 150.527,92.375 CON400.D1@152.33,90.572
HRADC_SYNC: CON400.D4 U303.20 | length 21.3
  Top Layer w0.254: U303.20@132.1,81.925 135.17,81.925 v6(135.47,82.225)
  Bottom Layer w0.254: v6(135.47,82.225) 146.42,82.225 147.92,83.725 149.969,83.725 149.976,83.718 151.476,83.718 CON400.D4@152.33,84.572
HRADC_VIN_N: CON401.A7 CON401.B7 CON401.C7 CON401.D7 CON401.E7 L200.2 PT201.1 R201.1 | length 45.6
  Top Layer w0.254: PT201.1@123.6,42.875 124.45,42.025 R201.1@124.45,39.875
  Top Layer w0.381: R201.1@124.45,39.67 L200.2@127.35,36.77 128.558,36.77 129.51,35.817 131.388,35.817 146.531,20.675 149.227,20.675 CON401.E7@150.33,19.572
  Top Layer w1: CON401.E7@150.33,19.572 CON401.D7@152.33,19.572 CON401.C7@154.33,19.572 CON401.B7@156.33,19.572 CON401.A7@158.33,19.572